# Altium PCB CT310高端控制盒核心板电路V1.3.PcbDoc (part 7 of 10)
Units mil, origin at the board's own origin, x right, y up, seen from the top; angles counter-clockwise.
Board outline 3735.76 x 4625 mil, 2 copper layers (TOP, BOTTOM), stack 10.4 mil thick; 198 components, 362 nets, 1085 pads, 352 vias.
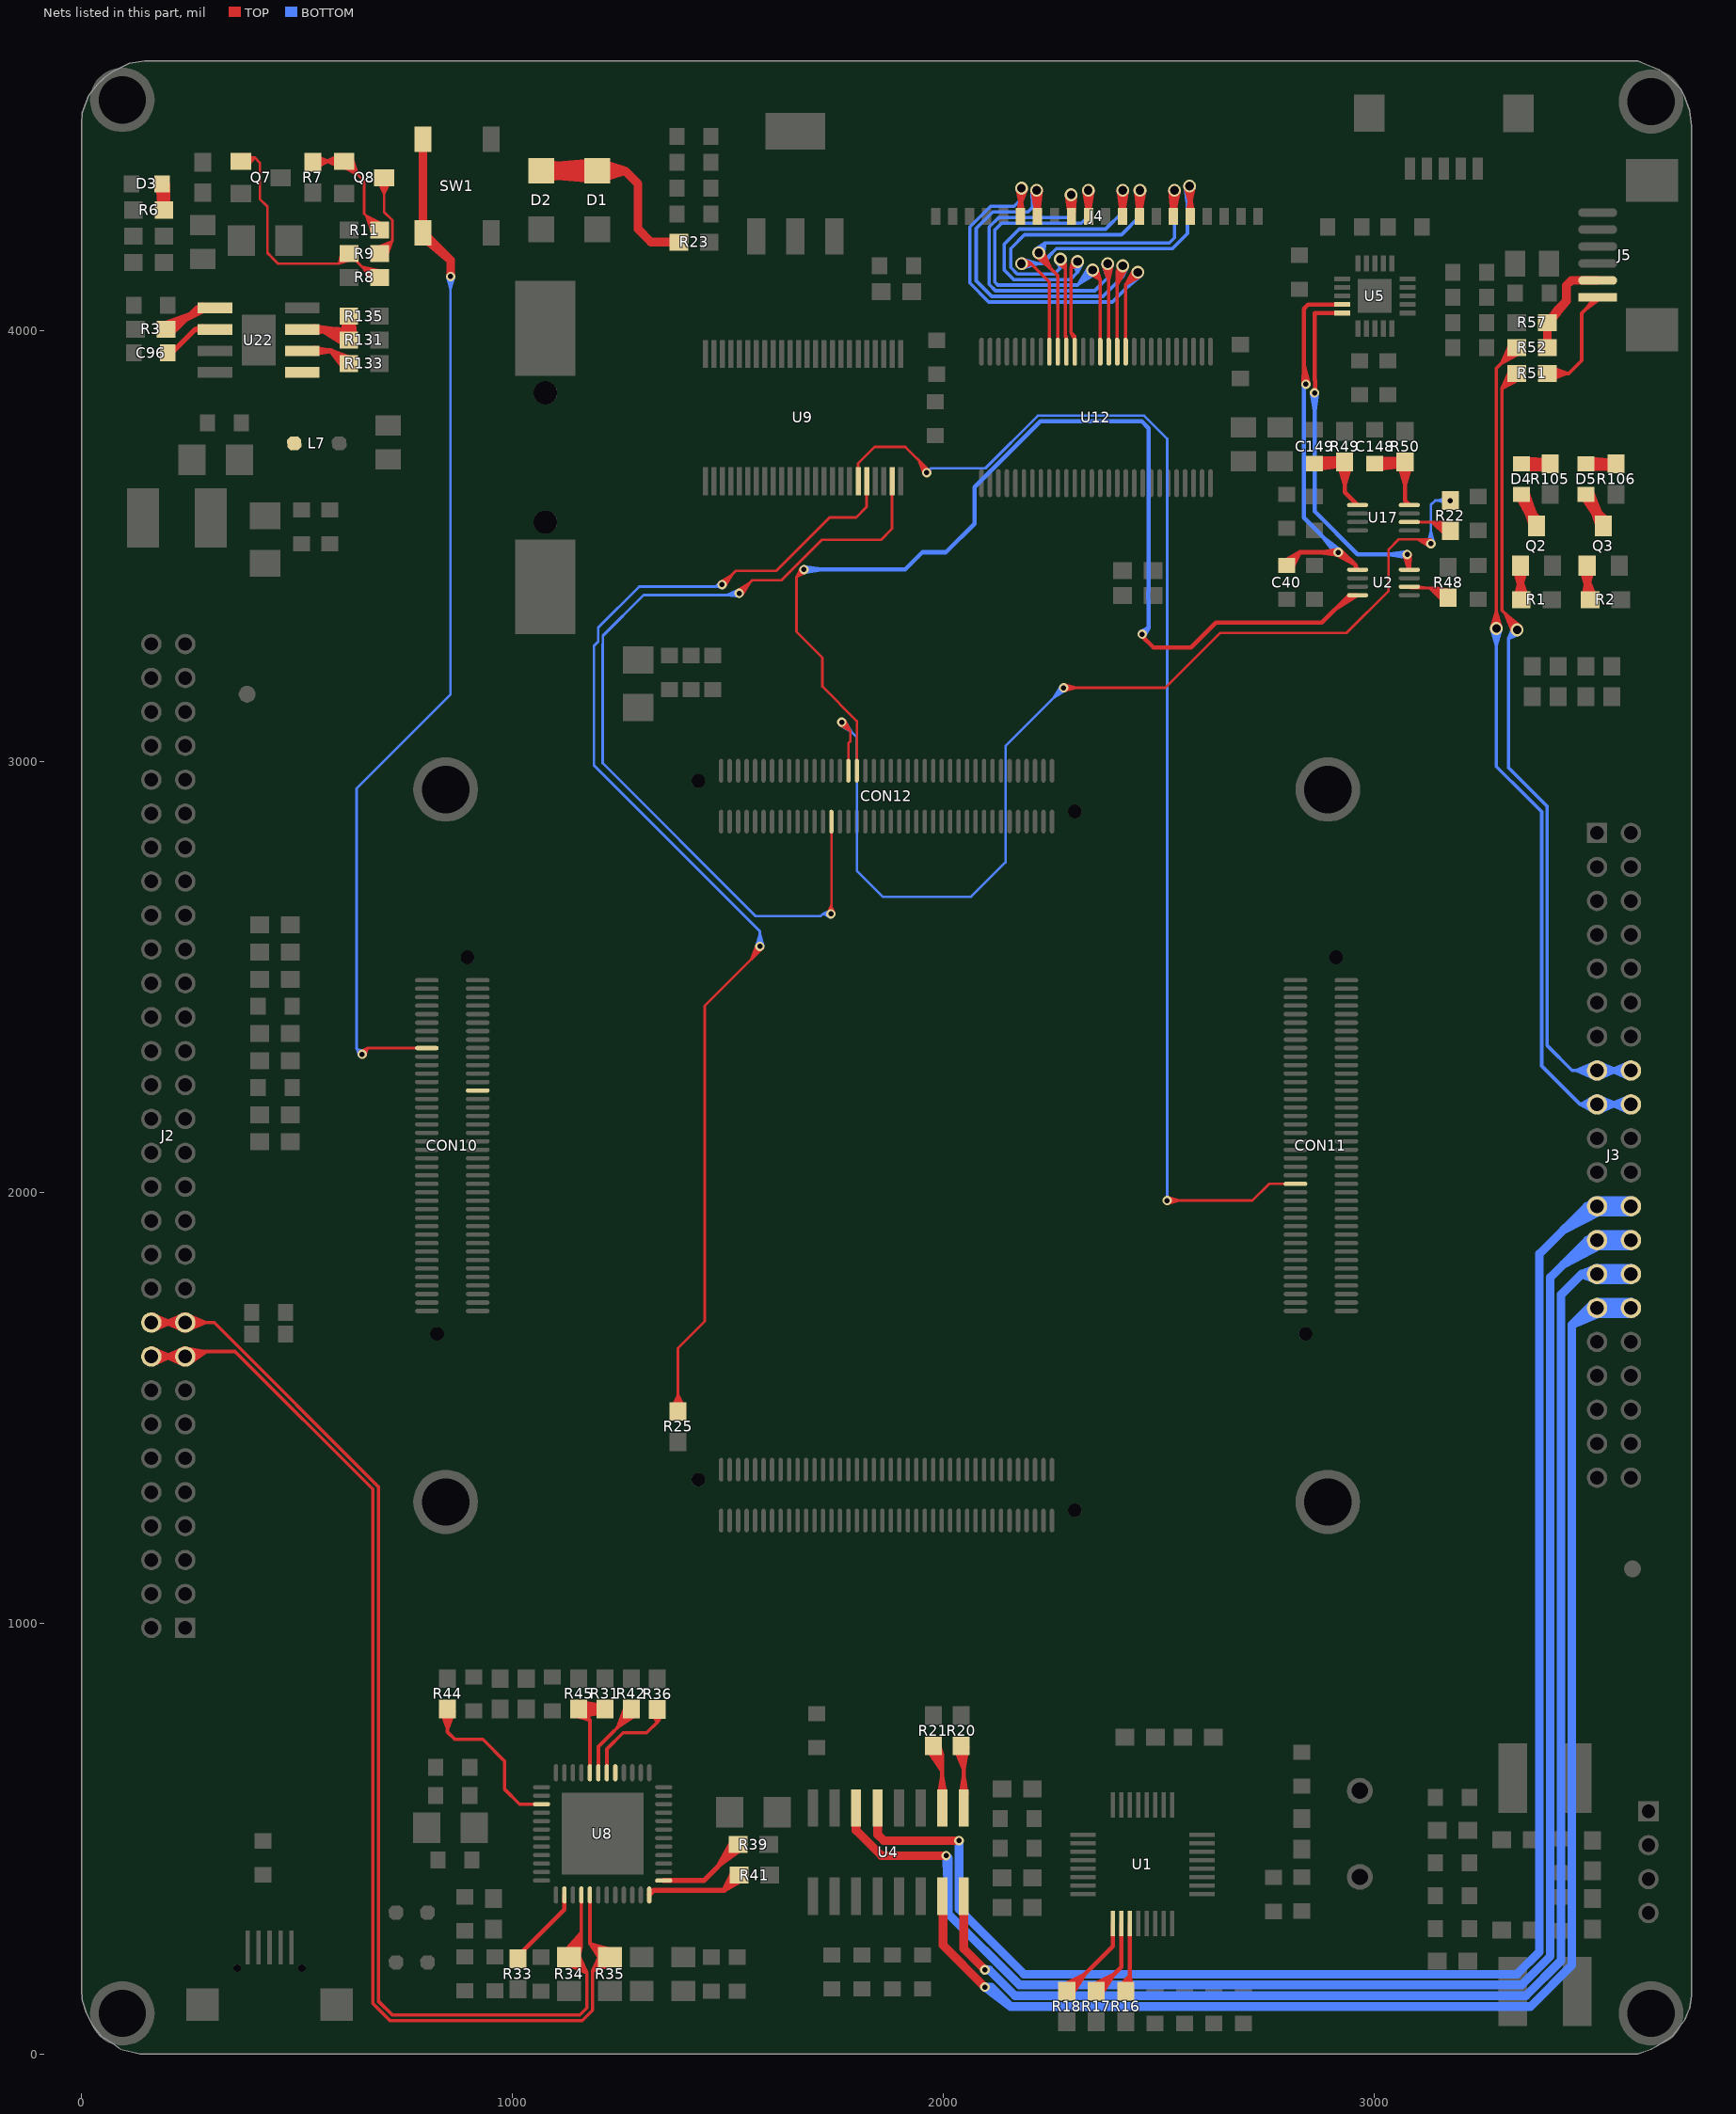
[diagram p7: the nets of this part, all layers, seen from the top]

## Via types
v1: diameter 22, hole 12, TOP to BOTTOM, tented both sides, 177 vias
v2: diameter 22, hole 12, TOP to BOTTOM, 89 vias
v3: diameter 28, hole 16, TOP to BOTTOM, 37 vias
v4: diameter 30, hole 20, TOP to BOTTOM, tented both sides, 26 vias
v5: diameter 24, hole 12, TOP to BOTTOM, 17 vias
v6: diameter 50, hole 30, TOP to BOTTOM, tented both sides, 5 vias
v7: diameter 40, hole 24, TOP to BOTTOM, 1 vias

## Nets (pads, with @x,y where several pads share a name; then routed paths per layer and width w, separated by ;. In a path a pad name is that pad's centre, name@x,y a point inside that pad or via, vN(x,y) a via of type N, cw(c..) or ccw(c..) an arc to the next point about the centre after c; other vN are vias at no path point) (continued)
NetC96_1: C96.1 U22.2 | length 192.9
  TOP w12: C96.1@192.19,3947.85 C96.1@195.87,3951.54 ; C96.1@199.56,3947.85 208.61,3947.85 263.11,4002.35 ; U22.2@280.49,3995.95 263.11,4002.35 ; U22.2@280.49,4008.75 263.11,4002.35 ; U22.2@281.63,4002.35 263.11,4002.35 ; U22.2@309.13,4002.35 263.11,4002.35
NetC148_1: C148.1 R50.1 U17.8 | length 1219.3
  TOP w10: C148.1@3000.76,3690.63 3066.82,3690.63 R50.1@3070.76,3694.57 3070.76,3604.57 U17.8@3080.8,3594.53 ; C148.1@3001.64,3703.3 R50.1@3051.15,3701.16 ; C148.1@3002.33,3677.92 3050.95,3682.76 ; C148.1@3004.11,3703.27 3050.46,3691.8 ; C148.1@3004.42,3678.03 3050.44,3690.63 ; C148.1@3004.42,3703.23 3050.44,3690.63 ; C148.1@3004.73,3678.07 3050.46,3691.8 ; C148.1@3006.39,3702.81 3050.95,3682.76 ; C148.1@3007,3678.65 R50.1@3051.15,3701.16 ; R50.1@3056.24,3690.43 3070.76,3642.91 ; R50.1@3068.03,3707.03 3020.82,3690.63 ; R50.1@3069.18,3678 3020.82,3690.63 ; R50.1@3085.28,3690.43 3070.76,3642.91 ; C148.1@3002.73,3690.63 3050.44,3690.63 ; C148.1@3002.73,3690.63 3050.95,3682.76 ; C148.1@3002.73,3690.63 3020.82,3690.63 ; C148.1@3002.73,3690.63 R50.1@3051.15,3701.16 ; C148.1@3002.73,3690.63 3020.82,3690.63 ; C148.1@3002.73,3690.63 3050.46,3691.8 ; C148.1@3002.73,3690.63 3020.82,3690.63 ; C148.1@3007.2,3678.72 3020.82,3690.63 ; C148.1@3007.2,3678.72 3020.82,3690.63 ; C148.1@3007.2,3678.72 3020.82,3690.63 ; C148.1@3007.2,3702.54 3020.82,3690.63 ; C148.1@3007.2,3702.54 3020.82,3690.63 ; C148.1@3007.2,3702.54 3020.82,3690.63 ; 3020.82,3690.63 3070.76,3692.6 3070.76,3642.91
NetC149_1: C149.1 R49.1 U17.1 | length 1028.3
  TOP w10: C149.1@2860.76,3690.63 2864.7,3694.57 R49.1@2930.76,3694.57 2930.76,3624.49 U17.1@2960.72,3594.53 2934.59,3620.67 ; C149.1@2861.05,3703.23 2909.65,3703.3 ; C149.1@2862.76,3677.91 R49.1@2914.38,3684.39 ; C149.1@2863.37,3703.33 2910.7,3694.57 ; C149.1@2865.43,3678.2 2910.7,3694.57 ; C149.1@2865.79,3702.97 R49.1@2914.38,3684.39 ; C149.1@2867.62,3678.89 2909.65,3703.3 ; R49.1@2916.24,3690.43 2930.76,3642.91 ; R49.1@2928.59,3680.04 2881.07,3694.57 ; R49.1@2928.59,3709.09 2881.07,3694.57 ; R49.1@2930.76,3692.6 2930.76,3642.91 ; R49.1@2945.28,3690.43 2930.76,3642.91 ; C149.1@2862.73,3690.63 R49.1@2914.38,3684.39 ; C149.1@2862.73,3690.63 2881.07,3694.57 ; C149.1@2862.73,3690.63 2909.65,3703.3 ; C149.1@2862.73,3690.63 2881.07,3694.57 ; C149.1@2862.73,3690.63 2910.7,3694.57 ; 2881.07,3694.57 2864.43,3703.23 2881.07,3694.57 ; 2881.07,3694.57 2869.45,3679.84 2881.07,3694.57
NetD1_2: D1.2 D2.2 R23.2 | length 1776.3
  TOP w20: D2.2@1065.76,4370.49 D1.2@1195.76,4370.49 ; D2.2@1067.98,4350.61 1155.76,4370.49 ; D2.2@1067.98,4390.36 1155.76,4370.49 ; D1.2@1191.1,4351.04 1103.99,4382.21 ; D1.2@1191.1,4389.94 1103.99,4358.77 ; D1.2@1193.54,4350.61 1105.76,4370.49 D1.2@1193.54,4390.36 ; D1.2@1196.13,4350.49 1103.99,4358.77 ; D1.2@1196.13,4390.48 1103.99,4382.21 ; D1.2@1198.86,4350.73 1260.27,4370.49 ; D1.2@1198.86,4390.25 1260.27,4370.49 ; R23.2@1365.33,4205 1320.76,4205 ; R23.2@1383.36,4205 1320.76,4205 ; 1103.99,4358.77 D1.2@1195.76,4370.49 ; 1103.99,4382.21 D1.2@1195.76,4370.49 ; 1155.76,4370.49 1190.76,4351.12 1155.76,4370.49 ; 1155.76,4370.49 1190.76,4389.85 1155.76,4370.49 ; 1155.76,4370.49 D1.2@1195.76,4370.49 ; 1155.76,4370.49 D1.2@1195.76,4370.49 ; D1.2@1195.76,4370.49 1260.27,4370.49 ; 1260.27,4370.49 1290.76,4340 1290.76,4235 1320.76,4205
NetD3_1: D3.1 R6.1 | length 115.7
  TOP w30: D3.1@186.19,4338.03 R6.1@190.62,4279.28 D3.1@190.62,4336.06
NetD4_1: D4.1 R105.1 | length 820.4
  TOP w10: D4.1@3330.76,3686.5 3403.49,3686.5 R105.1@3407.43,3690.43 ; D4.1@3341.14,3677.82 R105.1@3389.56,3678.12 ; D4.1@3342.16,3703.14 R105.1@3393.67,3699.07 ; D4.1@3343.37,3677.73 R105.1@3390.57,3686.5 ; D4.1@3343.71,3677.75 R105.1@3391.93,3687.85 ; D4.1@3345.03,3702.94 R105.1@3391.93,3687.85 ; D4.1@3345.44,3702.86 R105.1@3390.57,3686.5 ; D4.1@3346.38,3678.25 R105.1@3393.67,3699.07 ; D4.1@3347.55,3702.2 R105.1@3389.56,3678.12 ; R105.1@3404.7,3702.89 D4.1@3357.47,3686.5 ; R105.1@3405.84,3673.87 D4.1@3357.47,3686.5 ; R105.1@3407.43,3688.46 D4.1@3357.47,3686.5 ; D4.1@3342.73,3690.43 R105.1@3389.56,3678.12 ; D4.1@3342.73,3690.43 R105.1@3393.67,3699.07 ; D4.1@3342.73,3690.43 R105.1@3391.93,3687.85 ; D4.1@3342.73,3690.43 R105.1@3390.57,3686.5
NetD4_2: D4.2 Q2.3 | length 1167.5
  TOP w10: D4.2@3330.76,3615.63 3376.26,3570.13 ; D4.2@3330.89,3614.92 3354.18,3572.99 ; D4.2@3331.74,3613.17 3362.1,3573.66 ; D4.2@3332.92,3611.47 3370.76,3575.63 ; D4.2@3332.99,3611.4 3371.79,3575.02 ; D4.2@3354.13,3625.19 3371.79,3575.02 ; D4.2@3354.2,3625.05 3370.76,3575.63 ; D4.2@3354.98,3622.97 3362.1,3573.66 ; D4.2@3355.37,3620.94 3354.18,3572.99 ; Q2.3@3362.84,3544.23 3345.9,3600.49 ; Q2.3@3376.26,3546.25 3376.26,3570.13 ; Q2.3@3387.79,3559.29 3345.9,3600.49 ; D4.2@3331.57,3613.47 3345.9,3600.49 ; D4.2@3331.57,3613.47 3345.9,3600.49 ; D4.2@3331.57,3613.47 3345.9,3600.49 ; D4.2@3342.73,3619.57 3370.76,3575.63 ; D4.2@3342.73,3619.57 3354.18,3572.99 ; D4.2@3342.73,3619.57 3345.9,3600.49 ; D4.2@3342.73,3619.57 3371.79,3575.02 ; D4.2@3342.73,3619.57 3345.9,3600.49 ; D4.2@3342.73,3619.57 3362.1,3573.66 ; D4.2@3342.73,3619.57 3345.9,3600.49 ; 3345.9,3600.49 Q2.3@3376.26,3550.19 ; 3345.9,3600.49 D4.2@3355.26,3617.42 ; 3345.9,3600.49 D4.2@3355.26,3617.42 ; 3345.9,3600.49 D4.2@3355.26,3617.42 ; Q2.3@3376.26,3550.19 3376.26,3570.13 ; Q2.3@3376.26,3550.19 3376.26,3570.13 ; 3376.26,3570.13 3362.61,3555.59 3376.26,3570.13 ; 3376.26,3570.13 3389.91,3555.59 3376.26,3570.13
NetD5_1: D5.1 R106.1 | length 1044.2
  TOP w10: D5.1@3484.09,3686.5 3556.82,3686.5 R106.1@3560.76,3690.43 ; D5.1@3491.36,3677.79 3539.72,3678.95 ; D5.1@3492.41,3703.15 R106.1@3544.18,3698.08 ; D5.1@3493.37,3677.73 3540.59,3686.5 ; D5.1@3493.55,3677.74 R106.1@3560.76,3688.46 ; D5.1@3494.28,3703.05 R106.1@3560.76,3688.46 ; D5.1@3495.44,3702.86 3540.59,3686.5 ; D5.1@3496.12,3678.18 R106.1@3544.18,3698.08 ; D5.1@3497.35,3702.28 3539.72,3678.95 ; R106.1@3558.03,3702.89 3510.81,3686.5 ; R106.1@3559.18,3673.87 3510.81,3686.5 ; D5.1@3492.73,3690.43 3540.59,3686.5 ; D5.1@3492.73,3690.43 3539.72,3678.95 ; D5.1@3492.73,3690.43 3510.81,3686.5 ; D5.1@3492.73,3690.43 R106.1@3544.18,3698.08 ; D5.1@3492.73,3690.43 3510.81,3686.5 ; D5.1@3492.73,3690.43 R106.1@3560.76,3688.46 ; D5.1@3492.73,3690.43 3510.81,3686.5 ; D5.1@3494.46,3677.83 3510.81,3686.5 ; D5.1@3494.46,3677.83 3510.81,3686.5 ; D5.1@3494.46,3677.83 3510.81,3686.5 ; D5.1@3499.54,3701.17 3510.81,3686.5 ; D5.1@3499.54,3701.17 3510.81,3686.5 ; D5.1@3499.54,3701.17 3510.81,3686.5 ; 3510.81,3686.5 R106.1@3560.76,3688.46
NetD5_2: D5.2 Q3.3 | length 1056.2
  TOP w10: D5.2@3481.29,3614.01 3507.89,3573.78 ; D5.2@3482.22,3612.41 3515.28,3575.12 ; D5.2@3483.31,3611.03 3522.89,3576.83 ; D5.2@3483.48,3610.84 3524.46,3576.68 ; D5.2@3484.09,3615.63 3531.26,3568.46 Q3.3@3531.26,3546.25 ; D5.2@3503.78,3625.86 3524.46,3576.68 ; D5.2@3503.93,3625.58 3522.89,3576.83 ; D5.2@3504.71,3623.83 3515.28,3575.12 ; D5.2@3505.22,3621.94 3507.89,3573.78 ; Q3.3@3518.03,3543.82 3498.65,3601.08 ; Q3.3@3531.26,3550.19 3498.65,3601.08 ; Q3.3@3542.57,3559.55 3498.65,3601.08 ; D5.2@3482.55,3611.94 3498.65,3601.08 ; D5.2@3482.55,3611.94 3498.65,3601.08 ; D5.2@3482.55,3611.94 3498.65,3601.08 ; D5.2@3492.73,3619.57 3522.89,3576.83 ; D5.2@3492.73,3619.57 3507.89,3573.78 ; D5.2@3492.73,3619.57 3498.65,3601.08 ; D5.2@3492.73,3619.57 3524.46,3576.68 ; D5.2@3492.73,3619.57 3498.65,3601.08 ; D5.2@3492.73,3619.57 3515.28,3575.12 ; D5.2@3492.73,3619.57 3498.65,3601.08 ; 3498.65,3601.08 D5.2@3505.44,3619.26 ; 3498.65,3601.08 D5.2@3505.44,3619.26 ; 3498.65,3601.08 D5.2@3505.44,3619.26
NetJ5_1: J5.1 R51.2 | length 548.6
  TOP w8: R51.2@3401.19,3900 3450.76,3900 3480.76,3930 3480.76,4039.57 J5.1@3517.77,4076.57 ; R51.2@3403.16,3900 3446.85,3900 ; R51.2@3403.84,3892.34 3446.85,3900 ; R51.2@3403.84,3907.66 3446.85,3900 ; R51.2@3405.98,3884.57 3446.85,3900 ; R51.2@3405.98,3915.43 3446.85,3900 ; J5.1@3513.2,4080.47 3490.8,4049.6 J5.1@3521.66,4072.01
NetJ5_2: J5.2 R52.2 R57.1 | length 465.2
  TOP w20: R52.2@3401.19,3960 R57.1@3401.19,4018.33 3424.28,4041.42 ; J5.2@3482.77,4115.94 3456.7,4115.94 ; J5.2@3517.77,4115.94 3456.7,4115.94 ; R57.1@3403.16,4018.33 3445.13,4068.05 ; R57.1@3403.16,4018.33 3424.28,4047.2 ; R57.1@3403.16,4018.33 3424.28,4047.2 ; R57.1@3403.16,4018.33 3424.28,4041.42 ; R57.1@3403.16,4018.33 3424.28,4041.42 ; 3424.28,4041.42 3424.28,4047.2 ; 3424.28,4047.2 3445.13,4068.05 ; 3445.13,4068.05 3445.13,4104.37 3456.7,4115.94
NetL7_1: L7.1 U22.5
NetQ2_1: Q2.1 R1.1 | length 378
  TOP w10: Q2.1@3323.74,3447.64 3338.26,3400.13 ; R1.1@3325.73,3376.56 3338.26,3424.75 ; Q2.1@3338.26,3449.81 3338.26,3400.13 ; Q2.1@3338.26,3453.75 3338.26,3377.07 R1.1@3340.33,3375 3338.26,3424.75 ; Q2.1@3352.78,3447.64 3338.26,3400.13 ; R1.1@3354.75,3377.77 3338.26,3424.75
NetQ3_1: Q3.1 R2.1 | length 383.8
  TOP w10: Q3.1@3478.74,3447.64 3493.26,3400.13 ; R2.1@3483.69,3375.65 3493.26,3425.75 ; Q3.1@3493.26,3449.81 3493.26,3400.13 ; Q3.1@3493.26,3453.75 3493.26,3382.07 R2.1@3500.33,3375 ; R2.1@3498.36,3375 3493.26,3425.75 ; Q3.1@3507.78,3447.64 3493.26,3400.13 ; R2.1@3512.61,3378.56 3493.26,3425.75
NetQ7_1: Q7.1 R8.2 R9.1 | length 1321.1
  TOP w6: Q7.1@369.19,4400.85 401.81,4400.85 ; Q7.1@372.02,4403.13 401.81,4400.85 ; Q7.1@372.17,4397.09 401.81,4400.85 ; Q7.1@373.13,4392.5 401.81,4400.85 ; Q7.1@373.12,4409.19 401.81,4400.85 ; Q7.1@374.78,4388.12 401.81,4400.85 ; Q7.1@377.9,4382.94 401.81,4400.85 ; Q7.1@382.08,4378.42 401.81,4400.85 ; R9.1@603.14,4185.37 597.15,4155 ; R9.1@609.02,4183.59 597.15,4155 ; R9.1@614.35,4180.74 597.15,4155 ; R9.1@618.04,4177.85 597.15,4155 ; R9.1@621.25,4174.44 597.15,4155 ; R9.1@624.56,4169.39 597.15,4155 ; R9.1@626.87,4163.7 597.15,4155 ; R8.2@677.49,4110.68 649.71,4148.15 ; R8.2@682.12,4114.6 649.71,4148.15 ; R8.2@686.17,4119.05 649.71,4148.15 ; R8.2@688.9,4122.85 649.71,4148.15 ; R8.2@690.87,4122.85 675.01,4122.85 R9.1@620.01,4177.85 597.15,4155 ; R8.2@691.24,4126.91 649.71,4148.15 ; R8.2@693.63,4132.44 649.71,4148.15 ; R8.2@695.3,4138.26 649.71,4148.15 ; 401.81,4400.85 413.19,4389.48 413.19,4305 430.76,4287.43 430.76,4180 440.81,4169.95 440.81,4169.11 454.92,4155 597.15,4155
NetQ8_1: Q8.1 R7.1 R11.1 | length 1389.5
  TOP w6: R7.1@535.79,4395.12 573.51,4392.5 ; R7.1@536.31,4385.78 573.51,4392.5 ; R7.1@536.69,4401.08 573.51,4392.5 ; R7.1@537.85,4379.95 573.51,4392.5 ; R7.1@538.55,4406.88 573.51,4392.5 ; R7.1@540.33,4374.38 573.51,4392.5 ; Q8.1@601.56,4376.23 567.57,4392.5 ; Q8.1@601.56,4408.77 567.57,4392.5 ; Q8.1@602.95,4379.27 641.59,4360.08 ; Q8.1@603.74,4381.92 567.57,4392.5 ; Q8.1@603.74,4403.08 567.57,4392.5 ; Q8.1@604.96,4387.82 567.57,4392.5 ; Q8.1@604.96,4397.18 567.57,4392.5 ; Q8.1@605.25,4392.5 567.57,4392.5 ; Q8.1@606.03,4384.51 641.59,4360.08 ; Q8.1@609.19,4392.5 537.83,4392.5 R7.1@535.76,4390.43 573.51,4392.5 ; Q8.1@609.78,4389.22 641.59,4360.08 ; Q8.1@613.13,4392.5 641.59,4360.08 ; Q8.1@616.81,4395.4 641.59,4360.08 ; Q8.1@620.01,4381.67 655.04,4346.63 655.04,4270.72 690.87,4234.89 R11.1@690.87,4232.85 ; Q8.1@621.97,4398.5 641.59,4360.08 ; Q8.1@627.56,4400.88 641.59,4360.08 ; R11.1@674.5,4224.43 660,4265.76 ; R11.1@680.08,4226.83 660,4265.76 ; R11.1@685.22,4229.95 660,4265.76 ; R11.1@688.9,4232.85 660,4265.76 ; R11.1@692.25,4236.13 660,4265.76 ; R11.1@696.01,4240.83 660,4265.76 ; R11.1@699.11,4246.05 660,4265.76
NetQ8_3: Q8.3 R9.2 | length 815.1
  TOP w6: R9.2@683.25,4191.5 720.53,4207.51 ; Q8.3@685.42,4350.81 701.69,4316.81 ; R9.2@686.06,4186.11 720.53,4207.51 ; Q8.3@686.29,4348.07 701.69,4332.85 ; R9.2@689.61,4181.24 720.53,4207.51 ; R9.2@690.87,4177.85 720.53,4207.51 ; Q8.3@691.11,4352.99 701.69,4316.81 ; Q8.3@691.33,4351.86 701.69,4332.85 ; R9.2@692.84,4177.85 720.53,4207.51 ; R9.2@696.44,4174.86 720.53,4207.51 ; Q8.3@697.03,4353.99 701.69,4332.85 ; Q8.3@697.01,4354.21 701.69,4316.81 ; R9.2@701.54,4171.65 720.53,4207.51 ; Q8.3@706.35,4353.99 701.69,4332.85 ; Q8.3@706.36,4354.21 701.69,4316.81 ; R9.2@707.12,4169.22 720.53,4207.51 ; Q8.3@712.04,4351.86 701.69,4332.85 ; Q8.3@712.27,4352.99 701.69,4316.81 ; Q8.3@717.08,4348.07 701.69,4332.85 ; Q8.3@717.96,4350.81 701.69,4316.81 ; 701.69,4332.85 701.69,4274.69 720.53,4255.85 720.53,4219.77 720.53,4207.51
NetR3_2: R3.2 U22.1 | length 688.9
  TOP w12: R3.2@191.68,4015.2 252.5,4036.74 ; R3.2@192.19,4002.85 R3.2@193.91,4004.57 ; R3.2@195.62,4002.85 218.61,4002.85 ; R3.2@205.97,3992.04 252.5,4036.74 ; U22.1@277.65,4057.49 239.77,4024.01 ; U22.1@284.92,4046.75 239.77,4024.01 ; U22.1@309.13,4052.35 268.11,4052.35 ; R3.2@197.59,4002.85 218.61,4002.85 ; R3.2@197.59,4002.85 252.5,4036.74 ; R3.2@197.59,4002.85 218.61,4002.85 ; 218.61,4002.85 268.11,4052.35 ; 218.61,4002.85 202.04,4015.79 218.61,4002.85 ; 218.61,4002.85 202.04,3989.91 218.61,4002.85 ; 239.77,4024.01 U22.1@281.63,4052.35 ; 268.11,4052.35 280.07,4046.04 268.11,4052.35 ; 268.11,4052.35 280.07,4058.66 268.11,4052.35 ; 268.11,4052.35 U22.1@281.63,4052.35 ; 268.11,4052.35 U22.1@281.63,4052.35
NetR16_2: R16.2 U1.27 | length 446.9
  TOP w10: R16.2@2409.45,154.27 2432.04,181.28 ; R16.2@2422.43,145.43 2422.43,171.67 ; 2432.04,242.68 U1.27@2432.04,277.6 ; U1.27@2432.04,302.2 2432.04,181.28 ; R16.2@2437.08,146.43 2432.04,181.28 ; R16.2@2422.43,147.4 2432.04,181.28 ; R16.2@2422.43,147.4 2422.43,171.67 ; R16.2@2422.43,147.4 2422.43,171.67 ; 2422.43,171.67 2432.04,181.28 ; 2422.43,171.67 2408.43,151.85 2422.43,171.67 ; 2422.43,171.67 2436.42,151.85 2422.43,171.67
NetR17_1: R17.1 U1.26 | length 385.2
  TOP w10: R17.1@2345.77,159.5 2395.7,184.94 ; R17.1@2354.09,145.43 2356.19,145.43 2412.35,201.59 U1.26@2412.35,302.2 ; R17.1@2354.09,147.4 2395.7,184.94 ; R17.1@2365.27,137.88 2395.7,184.94 ; 2412.35,242.68 U1.26@2412.35,277.6
NetR18_1: R18.1 U1.25 | length 398.8
  TOP w10: R18.1@2277.47,159.52 2327.65,184.96 ; R18.1@2285.76,145.43 2288.12,145.43 2392.67,249.98 ; R18.1@2285.76,147.4 2327.65,184.96 ; R18.1@2296.91,137.84 2327.65,184.96 ; U1.25@2392.67,277.6 2392.67,249.98 ; U1.25@2392.67,302.2 2392.67,249.98
NetR20_2: R20.2 U4.9 | length 424.3
  TOP w10: R20.2@2026.58,708.79 2046.72,662.12 ; U4.9@2039.93,602.72 2046.72,643.98 ; R20.2@2040.76,712.6 2046.72,662.12 ; R20.2@2040.76,714.57 2046.72,708.61 U4.9@2046.72,570.67 ; U4.9@2046.72,602.17 2046.72,643.98 ; U4.9@2053.51,602.72 2046.72,643.98 ; R20.2@2055.44,712.2 2046.72,662.12
NetR21_2: R21.2 U4.10 | length 627.3
  TOP w10: R21.2@1962.74,705.81 1996.72,656.53 ; R21.2@1975.76,714.57 1996.72,693.61 ; U4.10@1989.93,602.72 1996.72,643.98 ; R21.2@1990.04,716.01 1996.72,656.53 ; U4.10@1996.72,570.67 1996.72,693.61 ; U4.10@1996.72,602.17 1996.72,643.98 ; U4.10@2003.51,602.72 1996.72,643.98 ; R21.2@1975.76,712.6 1996.72,693.61 ; R21.2@1975.76,712.6 1996.72,656.53 ; R21.2@1975.76,712.6 1996.72,693.61 ; 1996.72,693.61 1988.11,720.55 1996.72,693.61 ; 1996.72,693.61 1969.06,699.53 1996.72,693.61
NetR22_2: R22.2 U17.6 | length 846.9
  TOP w6: U17.6@3080.8,3555.16 3155.17,3555.16 ; U17.6@3100.48,3555.16 3123.41,3555.16 ; R22.2@3166.6,3522.59 3132.19,3555.16 ; R22.2@3170.48,3527.25 3132.19,3555.16 ; R22.2@3173.71,3532.32 3132.19,3555.16 ; R22.2@3175.76,3534.57 3155.17,3555.16 ; R22.2@3177.39,3540.93 3132.19,3555.16 ; R22.2@3178.83,3546.77 3132.19,3555.16 ; R22.2@3179.51,3552.79 3132.19,3555.16 ; 3132.19,3555.16 R22.2@3175.76,3536.54 ; 3155.17,3555.16 3161.37,3528.09 3155.17,3555.16 ; 3155.17,3555.16 3182.72,3551.7 3155.17,3555.16 ; 3155.17,3555.16 3167.2,3530.14 3155.17,3555.16 ; 3155.17,3555.16 3181.27,3545.69 3155.17,3555.16 ; 3155.17,3555.16 3172.34,3533.34 3155.17,3555.16 ; 3155.17,3555.16 3178.6,3540.26 3155.17,3555.16 ; 3155.17,3555.16 R22.2@3175.76,3536.54 ; 3155.17,3555.16 R22.2@3175.76,3536.54
NetR25_1: R25.1 U9.44 | length 3439.2
  TOP w6: R25.1@1367.34,1496.67 1383.61,1530.66 ; R25.1@1373.04,1494.49 1383.61,1530.66 ; R25.1@1378.94,1493.26 1383.61,1530.66 ; R25.1@1383.61,1472.07 1383.61,1637.85 1445.76,1700 1445.76,2432.16 1573.61,2560.01 v2(1573.61,2570.57) 1553.69,2540.1 ; R25.1@1383.61,1492.97 1383.61,1530.66 ; R25.1@1388.29,1493.26 1383.61,1530.66 ; R25.1@1394.19,1494.49 1383.61,1530.66 ; R25.1@1399.88,1496.67 1383.61,1530.66 ; v1@1480.82,3416.29 1509.49,3433.73 v1@1492.05,3405.06 ; 1493.76,3418 1517.76,3442 1611.4,3442 1735.51,3566.11 1796.87,3566.11 1821.26,3590.5 U9.44@1821.26,3650 ; v2@1566.48,2574.19 1553.69,2540.1 ; v2@1579.79,2565.48 1553.69,2540.1 ; 1821.26,3599.5 U9.44@1821.26,3623.5
  BOTTOM w6: v1@1481.47,3416.75 1471.33,3405.57 ; v1@1486,3402 1471.33,3405.57 ; v2@1565.69,2571.67 1573.61,2599.57 v2@1581.54,2571.67 ; v2(1573.61,2570.57) 1573.61,2605.57 1188.61,2990.57 1188.61,3267.65 1198.26,3277.29 1198.26,3310.22 1293.61,3405.57 1471.33,3405.57 ; 1471.33,3405.57 1480.76,3415 v1(1485.76,3410) 1471.33,3405.57
NetR31_1: R31.1 R45.1 U8.32 | length 1939.9
  TOP w8: R45.1@1145.25,784.58 1179.09,774.13 ; R45.1@1148.51,791.99 1179.09,774.13 ; R45.1@1152.28,790.53 R31.1@1198.15,789.62 ; R45.1@1152.28,809.75 R31.1@1198.15,810.66 ; R45.1@1152.83,782.49 R31.1@1198.15,789.62 ; R45.1@1152.83,817.79 R31.1@1198.15,810.66 ; R45.1@1153.25,790.49 R31.1@1197.38,795.32 ; R45.1@1153.25,809.79 R31.1@1197.38,804.96 ; R45.1@1154.24,794.51 R31.1@1197.38,804.96 ; R45.1@1154.24,805.77 R31.1@1197.38,795.32 ; R45.1@1154.85,782.58 R31.1@1197.38,795.32 ; R45.1@1154.85,817.69 R31.1@1197.38,804.96 ; R45.1@1155.14,794.7 R31.1@1198.15,810.66 ; R45.1@1155.14,805.57 R31.1@1198.15,789.62 ; R45.1@1156.84,786.88 R31.1@1197.38,804.96 ; R45.1@1156.84,813.4 R31.1@1197.38,795.32 ; R45.1@1158.59,787.42 R31.1@1198.15,810.66 ; R45.1@1158.59,812.85 R31.1@1198.15,789.62 ; R45.1@1158.88,803.21 1179.09,774.13 ; R45.1@1166.01,807.04 1179.09,774.13 ; U8.32@1179.09,652.3 1179.09,774.13 ; U8.32@1179.09,667.3 1179.09,696.3 ; R31.1@1211.16,784.71 R45.1@1170.29,800.14 ; R31.1@1211.16,815.57 R45.1@1170.29,800.14 ; R31.1@1213.3,792.48 R45.1@1170.29,800.14 ; R31.1@1213.3,807.79 R45.1@1170.29,800.14 ; R45.1@1153.08,798.17 1179.09,774.13 ; R45.1@1153.08,798.17 R31.1@1198.15,789.62 ; R45.1@1153.08,798.17 R31.1@1197.38,795.32 ; R45.1@1153.08,800.14 1179.09,774.13 ; R45.1@1153.08,800.14 R31.1@1213.97,800.14 R45.1@1170.29,800.14 ; R45.1@1153.08,800.14 R31.1@1196.76,800.14 ; R31.1@1196.76,800.14 1155.9,815.57 R31.1@1196.76,800.14 ; R31.1@1196.76,800.14 1155.9,784.71 R31.1@1196.76,800.14 ; R31.1@1196.76,800.14 1153.76,807.79 R31.1@1196.76,800.14 ; R31.1@1196.76,800.14 1153.76,792.48 R31.1@1196.76,800.14 ; R31.1@1197.38,804.96 1153.08,802.11 R31.1@1198.15,810.66
NetR33_1: R33.1 U8.2 | length 210.3
  TOP w10: R33.1@1008.61,223.57 1120.03,334.99 ; U8.2@1120.03,353.84 1120.03,334.99 ; U8.2@1120.03,368.84 1120.03,334.99
NetR36_2: R36.2 U8.30 | length 394.9
  TOP w8: U8.30@1218.46,652.3 1218.46,707.38 1256.07,745 1310.76,745 1335.76,770 ; U8.30@1218.46,667.3 1218.46,696.3 ; R36.2@1320.72,793.14 1335.76,770 ; R36.2@1328.15,796.53 1335.76,770 ; R36.2@1335.76,797.6 1335.76,770 ; R36.2@1335.76,799.57 1335.76,770 ; R36.2@1343.37,796.53 1335.76,770 ; R36.2@1350.8,793.14 1335.76,770
NetR39_2: R39.2 U8.13 | length 418.4
  TOP w12: U8.13@1350.35,402.3 1443.06,402.3 R39.2@1512.47,471.71 ; U8.13@1365.35,402.3 1406.35,402.3 ; R39.2@1510.05,493.49 1479.89,439.13 ; R39.2@1521.21,485.57 1479.89,439.13 ; R39.2@1530.37,475.4 1479.89,439.13
NetR41_2: R41.2 U8.12 | length 369.5
  TOP w12: U8.12@1316.88,368.84 1328.04,380 1490.76,380 ; R41.2@1512.11,422.8 1490.76,380 ; R41.2@1523.36,415 1490.76,380 ; R41.2@1524.33,413.57 1490.76,380 ; R41.2@1531.94,404.34 1490.76,380
NetR42_2: R42.2 U8.31 | length 470.8
  TOP w8: U8.31@1198.77,652.3 1198.77,713.01 1274.87,789.11 R42.2@1274.87,800.14 ; U8.31@1198.77,667.3 1198.77,696.3 ; R42.2@1261.2,805.87 1242.56,756.8 ; R42.2@1268.48,802.44 1242.56,756.8 ; R42.2@1274.87,798.17 1242.56,756.8 ; R42.2@1280.56,793.01 1242.56,756.8 ; R42.2@1285.65,786.78 1242.56,756.8